# KiCad board MiniMastermind.kicad_pcb
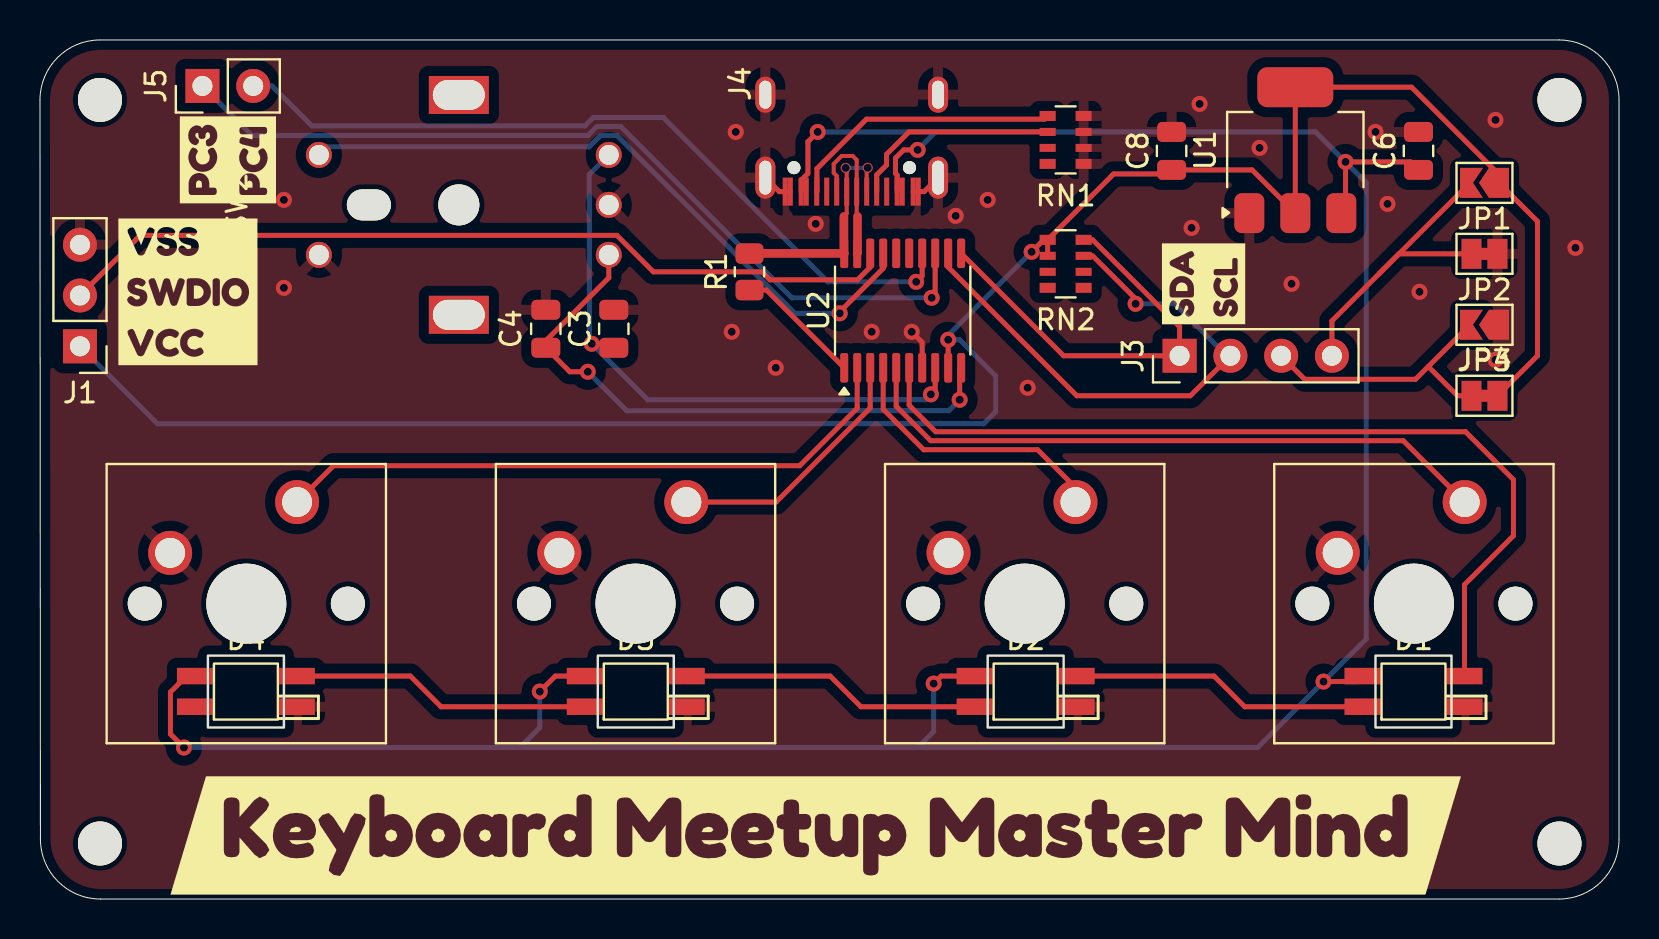
[diagram p0: board, top side]
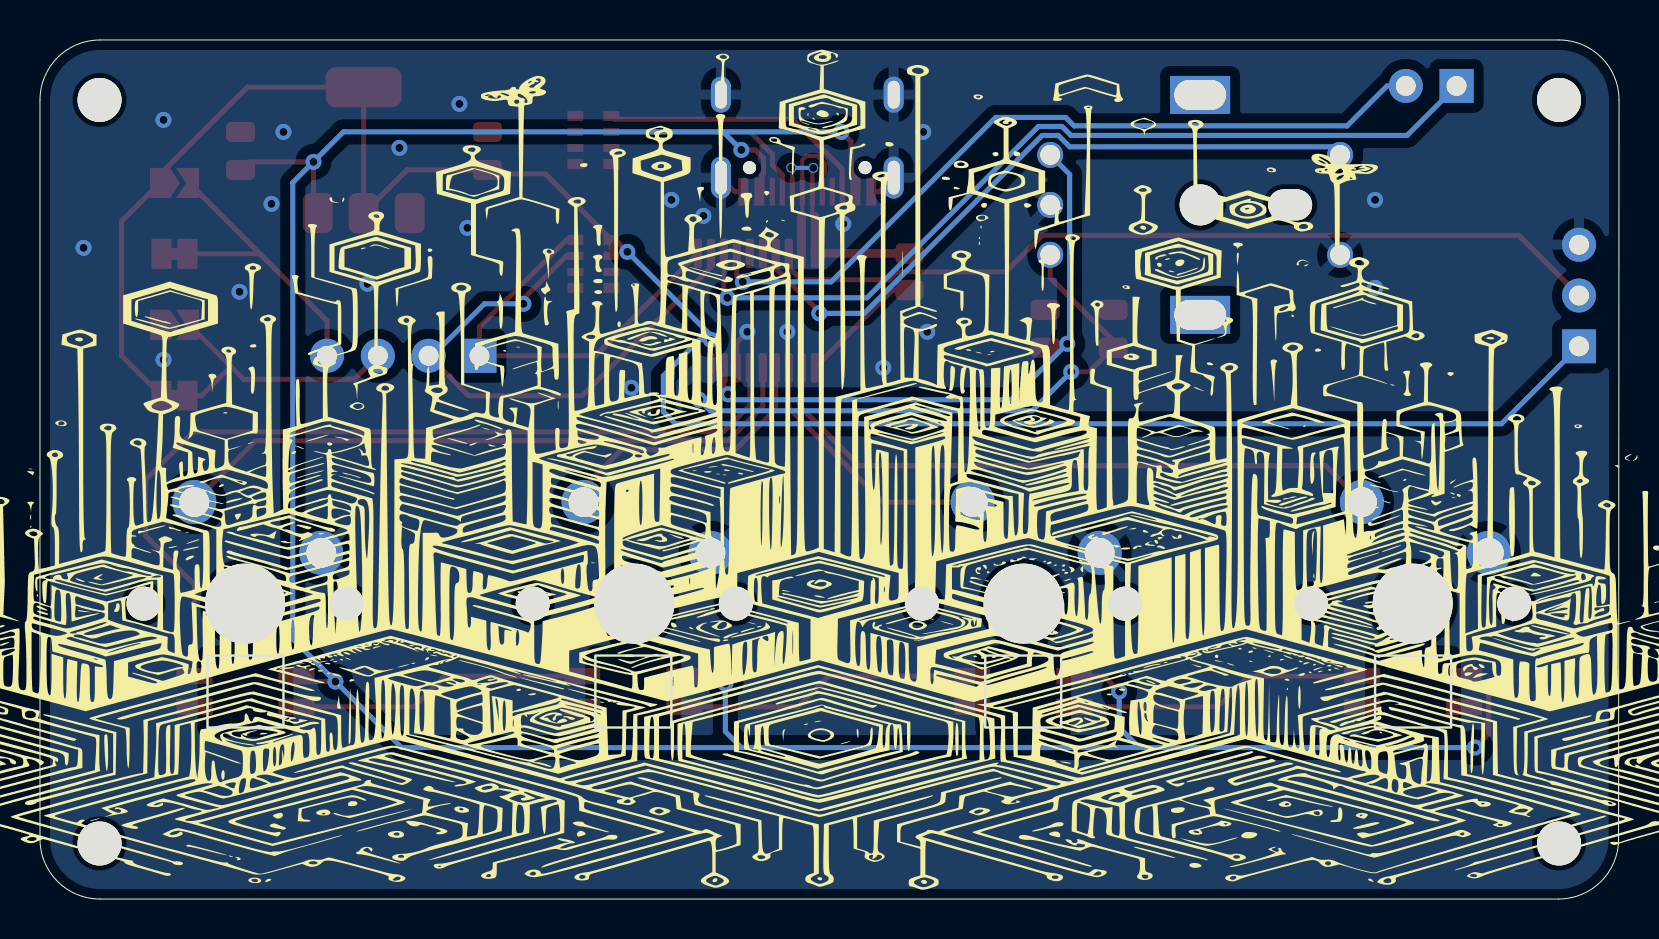
[diagram p1: board, bottom side, seen from below]

Outline 78.98 x 42.98 mm; copper layers: Top, Bottom. Coordinates in mm from the lower left corner of the outline.
Outline path: 0,39.98 arc(0.88,42.1) 3,42.98 75.98,42.98 arc(78.1,42.1) 78.98,39.98 78.98,3 arc(78.1,0.88) 75.98,0 3.02,0 arc(0.9,0.88) 0.02,3 0,39.98
Stack: Top 0.035mm / dielectric 1.51mm FR4 er 4.5 / Bottom 0.035mm

## Placement (name value [footprint] x y rotation side)
C3  100nF  [C_0805_2012Metric]  28.7 28.53 90 top
C4  100nF  [C_0805_2012Metric]  25.3 28.53 270 top
C6  10u  [C_0805_2012Metric]  68.95 37.43 90 top
C8  10u  [C_0805_2012Metric]  56.6 37.43 90 top
D1  WS2812B  [SK6812-E_FaceUp]  68.7 10.38 0 top
D2  WS2812B  [SK6812-E_FaceUp]  49.3 10.38 0 top
D3  WS2812B  [SK6812-E_FaceUp]  29.8 10.38 0 top
D4  WS2812B  [SK6812-E_FaceUp]  10.3 10.38 0 top
H1  MountingHole  [MountingHole_2.2mm_M2]  3 39.98 0 top
H2  MountingHole  [MountingHole_2.2mm_M2]  76 39.98 0 top
H3  MountingHole  [MountingHole_2.2mm_M2]  3 2.78 0 top
H4  MountingHole  [MountingHole_2.2mm_M2]  76 2.78 0 top
J1  Prog  [PinHeader_1x03_P2.54mm_Vertical]  2 27.65 180 top
J3  OledDisplay  [PinHeader_1x04_P2.54mm_Vertical]  57 27.18 90 top
J4  USB_C_Receptacle  [USB_C_Receptical-Jing]  40.6 36.09 180 top
J5  Conn_01x02  [PinHeader_1x02_P2.54mm_Vertical]  8.12 40.68 90 top
JP1  JOpen  [SolderJumper-2_P1.3mm_Open_TrianglePad1.0x1.5mm]  72.25 35.83 180 top
JP2  JClosed  [SolderJumper-2_P1.3mm_Bridged_Pad1.0x1.5mm]  72.25 32.28 180 top
JP3  Jumper_2_Open  [SolderJumper-2_P1.3mm_Open_TrianglePad1.0x1.5mm]  72.25 28.73 180 top
JP4  Jumper_2_Bridged  [SolderJumper-2_P1.3mm_Bridged_Pad1.0x1.5mm]  72.25 25.18 0 top
kibuzzard-65F8A563  G***  [kibuzzard-65F8A563]  38.8 3.18 0 top
kibuzzard-65F8A587  G***  [kibuzzard-65F8A587]  7.4 30.38 0 top
kibuzzard-65F9B665  G***  [kibuzzard-65F9B665]  58.2 30.78 90 top
kibuzzard-65F9B676  G***  [kibuzzard-65F9B676]  9.4 36.98 90 top
R1  1.5k  [R_0805_2012Metric]  35.49 31.38 90 top
RN1  5.1k  [R_Array_Convex_4x0603]  51.3 37.98 180 top
RN2  5.1k  [R_Array_Convex_4x0603]  51.3 31.78 180 top
SW1  SW_Push_45deg  [SW_Cherry_MX_1.00u_PCB]  12.86 19.86 0 top
SW2  Rotary_Encoder_Switch  [EC11L1524E03_Rotary_Encoder]  20.95 34.73 90 top
SW3  SW_Push_45deg  [SW_Cherry_MX_1.00u_PCB]  32.33 19.86 0 top
SW4  SW_Push_45deg  [SW_Cherry_MX_1.00u_PCB]  51.79 19.86 0 top
SW5  SW_Push_45deg  [SW_Cherry_MX_1.00u_PCB]  71.26 19.86 0 top
U1  TLV1117-33  [SOT-223-3_TabPin2]  62.79 37.47 90 top
U2  CH32V003F4P6  [TSSOP-20_4.4x6.5mm_P0.65mm]  43.15 29.44 90 top

## Library data of the parts
C3 C4 C6 C8 = -: ki_fp_filters: C_*
D1-D4 = -: Datasheet: https://cdn-shop.adafruit.com/datasheets/WS2812B.pdf; Description: RGB LED with integrated controller; ki_fp_filters: LED*WS2812*PLCC*5.0x5.0mm*P3.2mm*
H1-H4 = -: ki_fp_filters: MountingHole*
J1 J3 = -: ki_fp_filters: Connector*:*_1x??_*
J4 = -: Datasheet: https://www.usb.org/sites/default/files/documents/usb_type-c.zip; ki_fp_filters: USB*C*Receptacle*
J5 = -: Description: Generic connector, single row, 01x02, script generated (kicad-library-utils/schlib/autogen/connector/); ki_fp_filters: Connector*:*_1x??_*
JP1-JP4 = -: ki_fp_filters: Jumper* TestPoint*2Pads* TestPoint*Bridge*
R1 = -: ki_fp_filters: R_*
RN1 RN2 = -: ki_fp_filters: DIP* SOIC* R*Array*Concave* R*Array*Convex*
SW2 = -: ki_fp_filters: RotaryEncoder*Switch*
U1 = -: Datasheet: http://www.ti.com/lit/ds/symlink/tlv1117.pdf; ki_fp_filters: SOT?223* TO?263* TO?252* TO?220*

## Footprints (pads in the part's own frame, mm; a bottom-side part is the same pattern mirrored in y, then rotated)
C_0805_2012Metric
  rrect 1x1.45 smd: 1(-0.95,0) 2(0.95,0)
EC11L1524E03_Rotary_Encoder
  rect 1.9x3 hole 1.5x2.6: (-5.5,0) (5.5,0)
  oval 1.55x2.2 hole 1.55x2.2 unplated: (0,4.5)
  round 2.05 hole 2.05 unplated: (0,0)
  round 1.3 hole 1: A(-2.5,-7.5) B(2.5,-7.5) C(0,-7.5) S1(-2.5,7) S2(2.5,7)
MountingHole_2.2mm_M2
  round 2.2 hole 2.2 unplated: (0,0)
PinHeader_1x02_P2.54mm_Vertical
  rect 1.7x1.7 hole 1: 1(0,0)
  oval 1.7x1.7 hole 1: 2(0,-2.54)
PinHeader_1x03_P2.54mm_Vertical
  rect 1.7x1.7 hole 1: 1(0,0)
  oval 1.7x1.7 hole 1: 2(0,-2.54) 3(0,-5.08)
PinHeader_1x04_P2.54mm_Vertical
  rect 1.7x1.7 hole 1: 1(0,0)
  oval 1.7x1.7 hole 1: 2(0,-2.54) 3(0,-5.08) 4(0,-7.62)
R_0805_2012Metric
  rrect 1.025x1.4 smd: 1(-0.912,0) 2(0.912,0)
R_Array_Convex_4x0603
  rect 0.8x0.5 smd: 1(-0.9,1.2) 4(-0.9,-1.2) 5(0.9,-1.2) 8(0.9,1.2)
  rect 0.8x0.4 smd: 2(-0.9,0.4) 3(-0.9,-0.4) 6(0.9,-0.4) 7(0.9,0.4)
SK6812-E_FaceUp
  rect 1.8x0.82 smd: 1(-2.55,0.775) 2(-2.55,-0.76) 3(2.55,-0.76) 4(2.55,0.775)
SolderJumper-2_P1.3mm_Bridged_Pad1.0x1.5mm
  rect 1x1.5 smd: 1(-0.65,0) 2(0.65,0)
SolderJumper-2_P1.3mm_Open_TrianglePad1.0x1.5mm
  custom 1.5x1.5 smd: 1(-0.725,0)
  custom 1.15x1.5 smd: 2(0.725,0)
SOT-223-3_TabPin2
  rrect 2x1.5 smd: 1(-3.15,2.3) 2(-3.15,0) 3(-3.15,-2.3)
  rrect 2x3.8 smd: 2(3.15,0)
SW_Cherry_MX_1.00u_PCB
  round 1.7 hole 1.7 unplated: (-7.62,-5.08) (2.54,-5.08)
  round 4 hole 4 unplated: (-2.54,-5.08)
  round 2.2 hole 1.5: 1(0,0) 2(-6.35,-2.54)
TSSOP-20_4.4x6.5mm_P0.65mm
  rrect 1.475x0.4 smd: 1(-2.862,2.925) 2(-2.862,2.275) 3(-2.862,1.625) 4(-2.862,0.975) 5(-2.862,0.325) 6(-2.862,-0.325) 7(-2.862,-0.975) 8(-2.862,-1.625) 9(-2.862,-2.275) 10(-2.862,-2.925) 11(2.862,-2.925) 12(2.862,-2.275) 13(2.862,-1.625) 14(2.862,-0.975) 15(2.862,-0.325) 16(2.862,0.325) 17(2.862,0.975) 18(2.862,1.625) 19(2.862,2.275) 20(2.862,2.925)
USB_C_Receptical-Jing
  round 0.65 hole 0.65 unplated: (-2.89,-0.5) (2.89,-0.5)
  rect 0.25x1.4 smd: A1(-3.325,0.7) A4(-2.525,0.7) A5(-1.25,0.7) A6(-0.25,0.7) A7(0.25,0.7) A8(-1.75,0.7) A9(2.525,0.7) A12(3.325,0.7) B1(3.075,0.7) B4(2.275,0.7) B5(1.75,0.7) B6(0.75,0.7) B7(-0.75,0.7) B8(1.25,0.7) B9(-2.275,0.7) B12(-3.075,0.7)
  oval 1x2.1 hole 0.6x1.7: S1(-4.32,0) S1(4.32,0)
  oval 1x1.8 hole 0.6x1.4: S1(-4.32,-4.15) S1(4.32,-4.15)

## Nets
+5V: C6.1 D1.1 D2.1 D3.1 D4.1 J4.A4 J4.A9 J4.B4 J4.B9 U1.3
VCC: C8.1 J1.1 JP1.1 JP4.2 RN2.5 RN2.6 U1.2 U2.9
VSS: C3.2 C4.1 C6.2 C8.2 D1.3 D2.3 D3.3 D4.3 J1.3 J4.A1 J4.A12 J4.B1 J4.B12 J4.S1 JP2.1 JP3.1 RN1.1 RN1.2 RN1.3 RN1.4 SW1.2 SW2.C SW2.S1 SW3.2 SW4.2 SW5.2 U1.1 U2.7
/RotaryA: C3.1 SW2.B U2.8
/RotaryB: C4.2 SW2.A U2.10
/RotaryS: SW2.S2 U2.17
D+: J4.A6 J4.B6 U2.19
D-: J4.A7 J4.B7 R1.2 U2.20
DPU: R1.1 U2.1
PA1: SW5.1 U2.5
PA2: D1.4 U2.6
PC3: J5.1 U2.13
PC4: J5.2 U2.14
PD5: SW1.1 U2.2
PD6: SW3.1 U2.3
PD7: SW4.1 U2.4
SCL: J3.2 RN2.3 U2.12
SDA: J3.1 RN2.4 U2.11
SWIO: J1.2 U2.18
Net-(D1-DOUT): D1.2 D2.4
Net-(D2-DOUT): D2.2 D3.4
Net-(D3-DOUT): D3.2 D4.4
Net-(J3-Pin_3): J3.3 JP3.2 JP4.1
Net-(J3-Pin_4): J3.4 JP1.2 JP2.2
Net-(J4-CC1): J4.A5 RN1.6
Net-(J4-CC2): J4.B5 RN1.5

Pads without a net: D4 2; J4 A8 B8; RN1 7 8; RN2 1 2 7 8; U2 15 16

## Via types
v1: diameter 0.8, hole 0.4, Top to Bottom, 38 vias
v2: diameter 0.5, hole 0.4, Top to Bottom, 2 vias

## Routing (per net, layer and track width the routed paths; a pad name or vN(x,y) marks a point on that pad's centre or on a via; arc(x,y) is an arc through that point)
+5V: length 145
  Top w0.25: v1(64.2,10.88) 65.88,10.88 D1.1 ; D3.1 25.78,11.15 v1(25,10.38) ; v1(38.9,38.38) 38.41,37.89 38.41,36.3 38.08,35.97 38.08,35.39 ; J4.B9 42.88,36.22 42.79,36.3 42.79,37.07 43.2,37.48 v1(43.9,37.48) ; C6.1 68.55,36.88 v1(65.3,36.88) 65.3,34.53 U1.3 ; D2.1 45.07,11.15 v1(44.7,10.78) ; D4.1 7.33,11.15 6.53,10.35 6.53,8.25 v1(7.2,7.58)
  Bottom w0.25: 24,7.58 25,8.58 v1(25,10.38) ; 24,7.58 43.9,7.58 ; 24,7.58 v1(7.2,7.58) ; v1(38.9,38.38) 44.8,38.38 ; 44.8,38.38 v1(43.9,37.48) ; 44.8,38.38 63.8,38.38 v1(65.3,36.88) 66.34,35.84 66.34,13.01 v1(64.2,10.88) 60.9,7.58 43.9,7.58 ; v1(44.7,10.78) 44.7,8.38 43.9,7.58
VCC: length 107.7
  Top w0.25: 45.43,28 v1(45.43,27.98) U2.9 ; RN2.5 50.2,32.98 v1(49.6,32.38) ; RN2.5 RN2.6 ; RN2.5 53.7,36.28 56.4,36.28 C8.1 60.62,36.48 U1.2 U1.2 68.6,40.62 72.97,36.25 JP1.1 74.9,33.9 74.9,27.18 JP4.2
  Bottom w0.25: J1.1 5.88,23.78 47.2,23.78 47.8,24.38 47.8,26.18 46,27.98 v1(45.43,27.98) 45.43,28.2 v1(49.6,32.38)
VSS: length 5.1
  Top w0.25: J4.S1 44.22,35.39 43.68,35.39 ; U2.7 44.12,27.85 v1(43.6,28.38) ; J4.B1 36.98,35.39 J4.S1
  vias: v1(12.2,34.98) v1(12.2,30.58) v1(34.6,28.38) v1(34.8,38.38) v1(36.8,26.58) v1(38.8,33.78) v1(41.6,28.38) v1(45.8,34.18) v1(47.4,34.98) v1(49.4,25.58) v1(57.6,33.58) v1(58,39.78) v1(61,37.58) v1(62.6,30.78) v1(66.8,38.38) v1(67.4,34.78) v1(69,30.38) v1(72.8,38.98) v1(72.8,26.98) v1(76.8,32.58)
/RotaryA: length 30.7
  Top w0.25: v1(44.56,25.25) 44.78,25.46 U2.8 ; v1(27.6,27.78) 28.5,27.78 C3.1
  Bottom w0.25: SW2.B 27.47,36.25 27.47,27.9 v1(27.6,27.78) 30.4,24.98 44.29,24.98 v1(44.56,25.25)
/RotaryB: length 29.8
  Top w0.25: SW2.A 28.45,31.08 25.3,27.93 C4.2 26.5,26.38 v1(27.4,26.38) ; v1(46,24.98) 46,26.5 U2.10
  Bottom w0.25: v1(27.4,26.38) 29.35,24.43 45.45,24.43 v1(46,24.98)
/RotaryS: length 34
  Top w0.25: v1(40,29.3) 40,29.38 42.18,31.55 U2.17
  Bottom w0.25: SW2.S2 14.35,37.63 27.47,37.63 28.05,38.2 28.85,38.2 37.75,29.3 v1(40,29.3)
D+: length 7.5
  Top w0.2: J4.B6 39.85,36.18 39.7,36.33 39.7,36.78 40.1,37.18 40.65,37.18 40.85,36.98 J4.A6 40.85,34.19 40.89,34.15
  Top w0.43: U2.19 40.89,32.32 40.89,34.15
D-: length 11.4
  Top w0.2: v2(41.4,36.59) 41.35,36.54 J4.B7 ; v2(40.3,36.58) 40.35,36.53 J4.A7 40.35,34.29 40.21,34.15
  Top w0.43: R1.2 35.5,32.3 U2.20 40.21,32.32 40.21,34.15
  Bottom w0.2: v2(40.3,36.58) 41.39,36.58 v2(41.4,36.59)
DPU: length 6.3
  Top w0.25: R1.1 36.34,30.47 U2.1
PA1: length 32.3
  Top w0.25: 42.82,26.58 42.82,24.65 44.55,22.93 68.19,22.93 SW5.1
PA2: length 44.5
  Top w0.25: U2.6 43.47,24.7 44.8,23.38 71.3,23.38 73.7,20.98 73.7,18.18 71.25,15.73 D1.4
PC3: length 43.5
  Top w0.25: v1(44.6,30.08) 44.78,30.25 U2.13
  Bottom w0.25: J5.1 10.6,38.2 27.41,38.2 27.86,38.65 29.04,38.65 37.62,30.08 v1(44.6,30.08)
PC4: length 39.1
  Top w0.25: U2.14 44.12,31.18 v1(43.82,30.88)
  Bottom w0.25: J5.2 11.6,40.68 13.6,38.68 27.25,38.68 27.67,39.1 31.17,39.1 39.4,30.88 v1(43.82,30.88)
PD5: length 32
  Top w0.25: U2.2 40.88,24.55 38,21.68 14.68,21.68 SW1.1
PD6: length 13.2
  Top w0.25: U2.3 41.53,24.57 36.82,19.86 SW3.1
PD7: length 14
  Top w0.25: U2.4 42.18,24.5 44.2,22.48 49.9,22.48 51.79,20.59 SW4.1
SCL: length 27.9
  Top w0.25: J3.2 57.54,25.18 51.86,25.18 45.43,31.61 U2.12 ; v1(54.8,29.78) 54.8,30.03 52.65,32.18 RN2.3
  Bottom w0.25: v1(54.8,29.78) 56.75,29.78 59.35,27.18 J3.2
SDA: length 21.1
  Top w0.25: RN2.4 52.65,32.98 57,28.63 J3.1 51.2,27.18 U2.11
SWIO: length 42.6
  Top w0.25: U2.18 41.53,31.61 40.89,30.98 36.51,30.98 36.11,31.38 30.68,31.38 28.85,33.2 5.01,33.2 J1.2
Net-(D1-DOUT): length 14.9
  Top w0.25: D2.4 58.72,11.15 60.26,9.62 D1.2
Net-(D2-DOUT): length 15
  Top w0.25: D2.2 41.06,9.62 39.53,11.15 D3.4
Net-(D3-DOUT): length 15
  Top w0.25: D3.2 20.06,9.62 18.53,11.15 D4.4
Net-(J3-Pin_3): length 13.8
  Top w0.25: JP4.1 70.9,25.18 69.44,26.64 ; 69.44,26.64 68.8,26 63.25,26 J3.3 ; 69.44,26.64 JP3.2
Net-(J3-Pin_4): length 16.5
  Top w0.25: JP2.2 67.97,32.28 66.99,31.29 ; JP1.2 66.99,31.29 ; 66.99,31.29 64.62,28.92 J3.4
Net-(J4-CC1): length 10.6
  Top w0.25: RN1.6 43.46,38.38 42.34,37.26 42.34,36.72 41.85,36.23 J4.A5
Net-(J4-CC2): length 13.8
  Top w0.25: RN1.5 50.24,39.02 41.34,39.02 38.86,36.54 38.86,35.4 J4.B5

## Copper pours and planes (outline as drawn; the poured copper is in the pictures)
VSS on Top, Bottom: -1,43.98 80,43.98 80,-1.02 -1,-1.02
